# Allegro board nu_2000_main_211102_02.brd (continued)
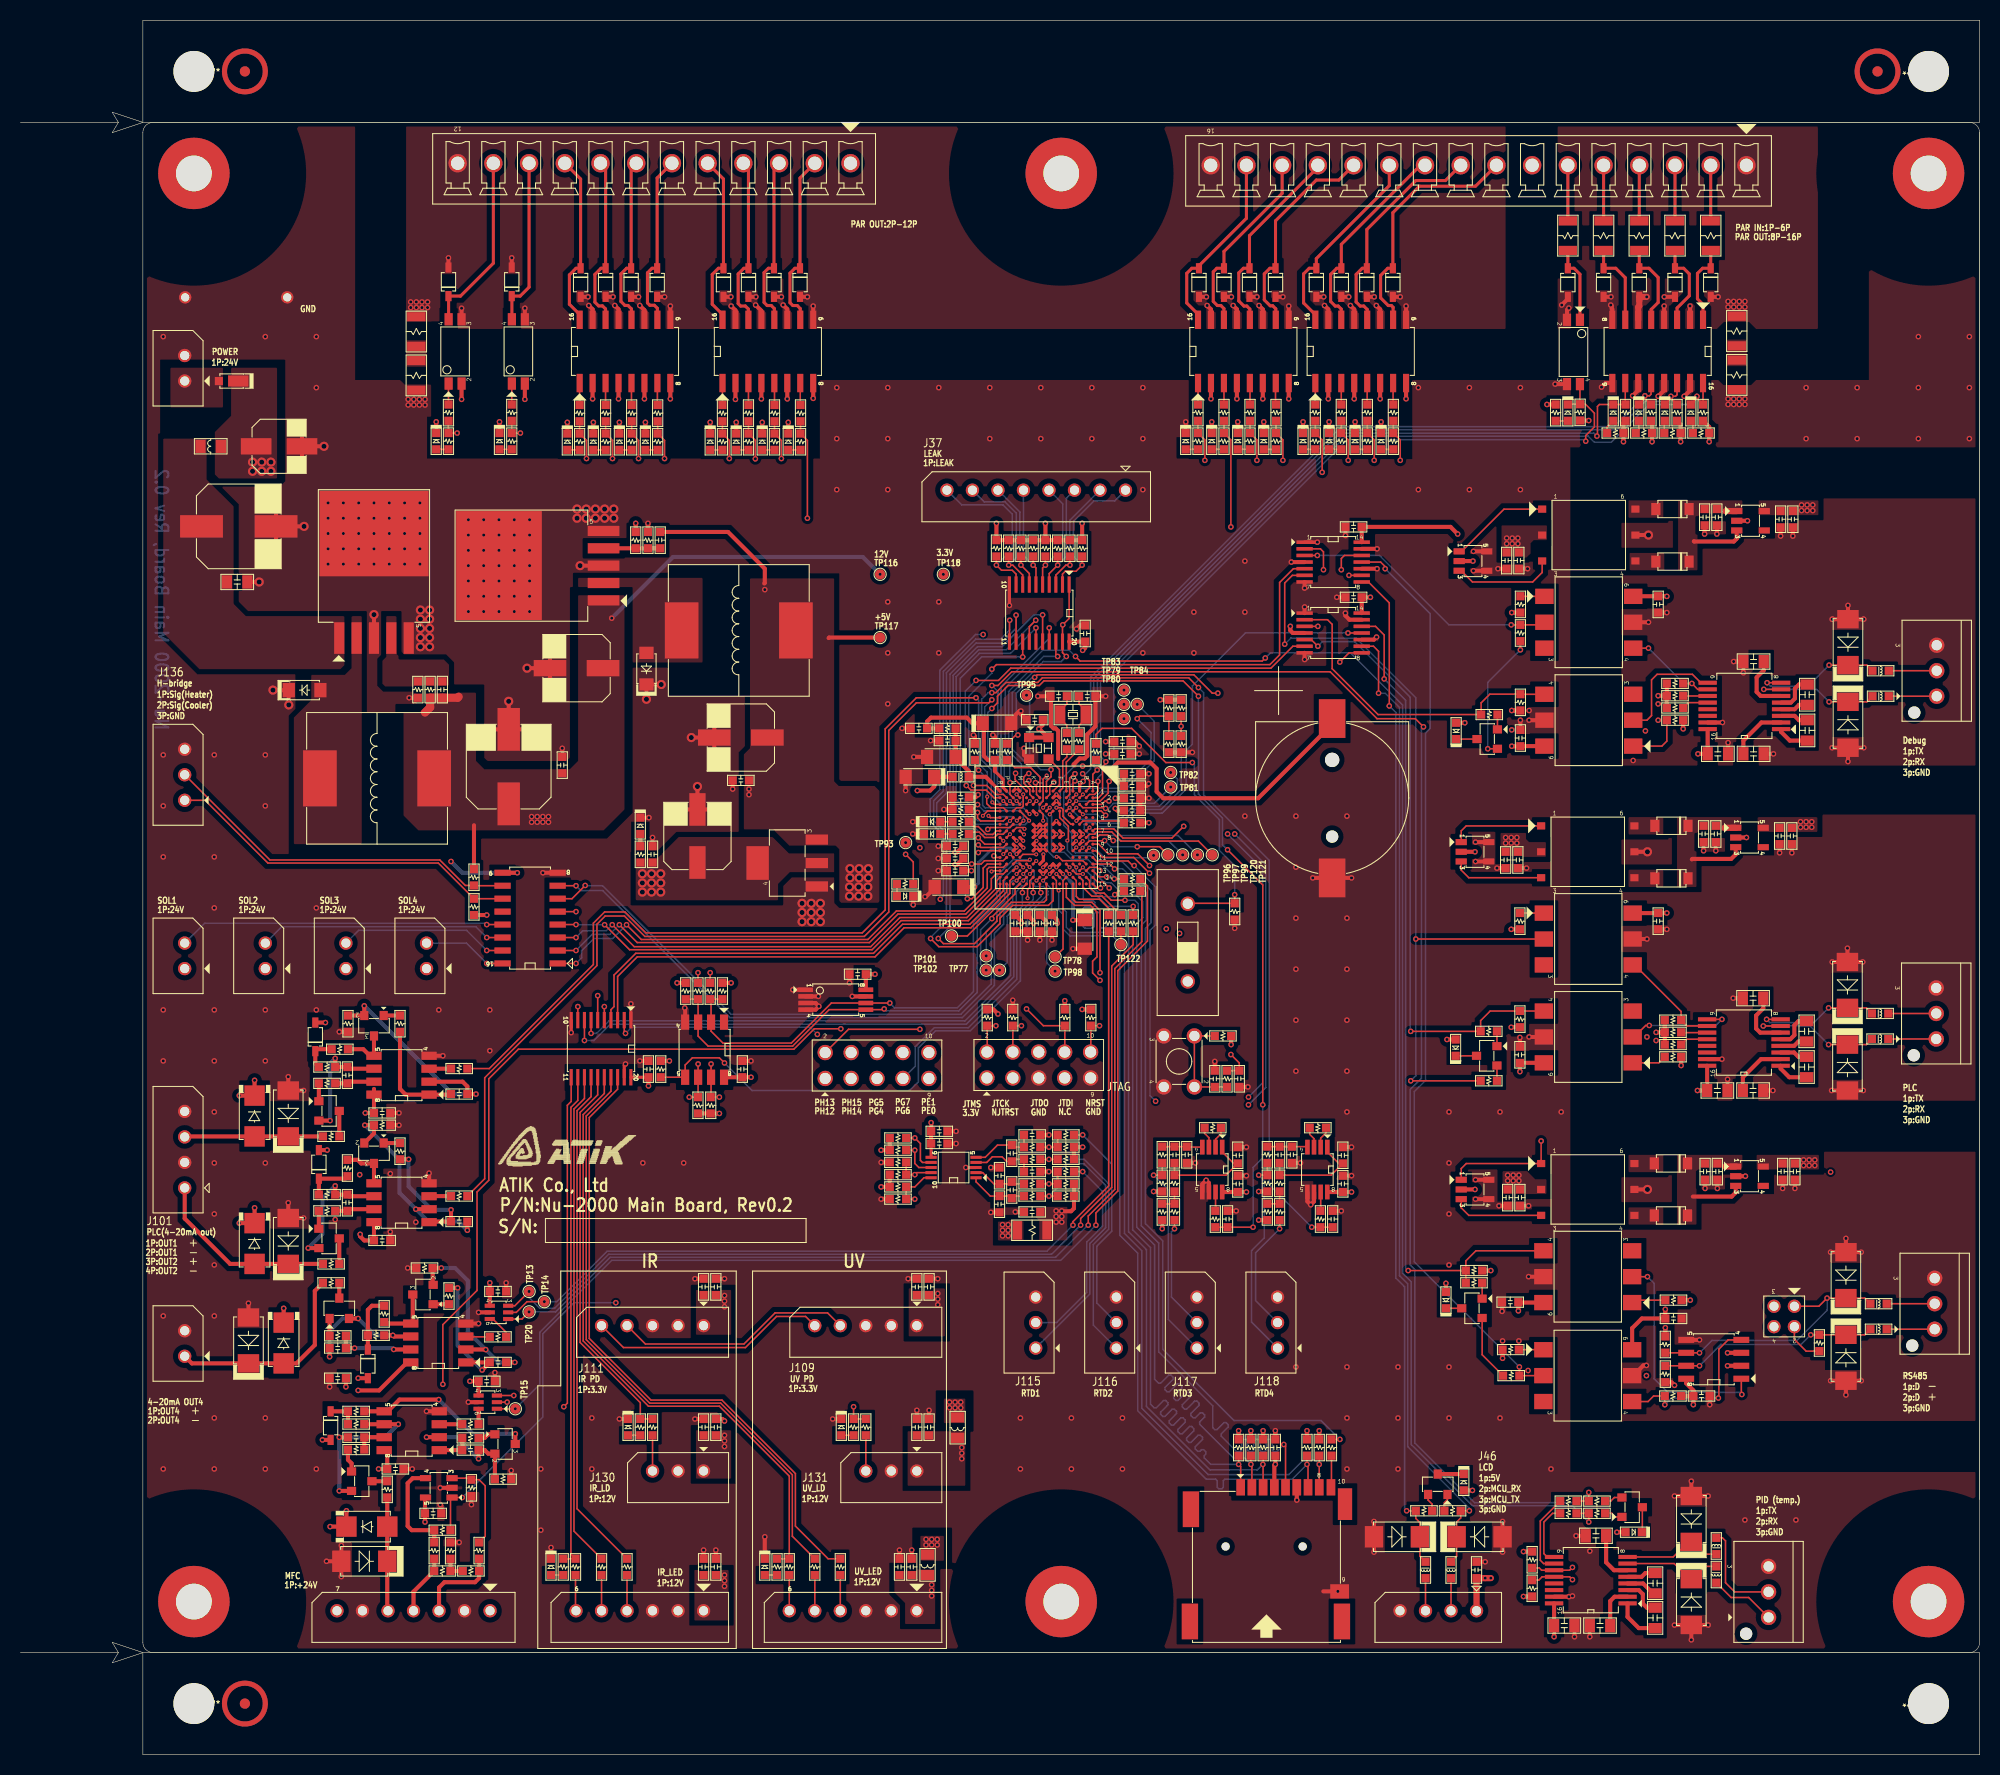
[diagram p0: board, top side]
## Nets (continued)
N6737165: J33.10 R24.1
N6752441: D27.1(ANODE) R10.2
N6752445: D28.1(ANODE) R11.2
N6756994: C6.1 U1.M10(VCAP_1)
N6757022: C5.1 U1.F13(VCAP_2)
N6757140: BT1.1(+) U1.C1(VBAT)
N6884274: R497.2 U1.G4(PH3)
N6887735: C3.2 R1.1 R4.2 SW1.1 SW1.2
N6927609: R3.2 U1.J1(NRST)
N7312910: D92.2 L16.1 R428.1 R430.2 U86.7(B)
N7312944: D93.2 JP1.1 L17.1 R429.1 U86.6(A)
N7329372: TP121.1 U1.B8(PG12)
N8040227: D121.2(K) R407.1 U42.1
N8040231: D122.2(K) R408.1 U42.3
N8040235: D123.2(K) R409.1 U42.5
N8040239: D124.2(K) R410.1 U42.7
N8135647: D77.1(ANODE) D81.2 J119.5 R144.2
N8136179: D78.1(ANODE) D82.2 J120.1 R151.2
N8151003: R162.1 R164.2 U44.9(ADR0)
N8151007: R163.1 R165.2 U44.10(ADR1)
N8152151: J115.1 R158.1 R334.2
N8152275: R160.1 R335.2 R336.1
N8237232: D75.1(ANODE) D79.2 J101.1 R221.2
N8238172: D76.1(ANODE) D80.2 J101.3 R229.2
N8252476: R494.2 TP122.1
N8333431: J116.1 R246.1 R337.2
N8333435: R247.1 R338.2 R339.1
N8340411: TP78.1 U1.E14(PI0)
N8343262: D60.1(ANODE) R255.2
N8354920: R8.1 R374.1 SW2.2(COMMON1)
N8369370: R265.1 U9.6(VOUT)
N8454919: C179.2 C180.2 R334.1 U44.1(CH1+)
N8454923: C180.1 C181.2 R335.1 U44.2(CH1-)
N8455459: J115.2 R336.2
N8456453: C182.2 C184.2 R337.1 U44.4(CH2+)
N8456457: C183.2 C184.1 R338.1 U44.5(CH2-)
N8456560: J116.2 R339.2
N8465176: J117.1 R232.1 R342.2
N8465183: J117.2 R340.2
N8465189: R233.1 R340.1 R341.2
N8465270: C155.2 C156.2 R341.1 U66.1(-IN)
N8465318: C155.1 C157.2 R342.1 U66.4(+IN)
N8466691: R344.2 U66.3(RG2)
N8466814: R344.1 U66.2(RG1)
N8466854: R345.2 U66.7(VOUT)
N8472178: J118.1 R346.1 R352.2
N8472182: R347.1 R348.2 R349.1
N8472294: C158.2 C159.2 R348.1 U67.1(-IN)
N8472330: J118.2 R349.2
N8472342: R350.2 U67.3(RG2)
N8472350: R350.1 U67.2(RG1)
N8472370: R351.2 U67.7(VOUT)
N8472434: C158.1 C160.2 R352.1 U67.4(+IN)
N8479815: TP83.1 U1.D4(PI4)
N8479819: TP82.1 U1.C4(PI5)
N8479823: TP81.1 U1.C3(PI6)
N8479827: TP80.1 U1.C2(PI7)
N8479831: TP79.1 U1.D2(PI8)
N8479835: TP84.1 U1.D3(PI9)
N8479839: R426.2 R427.1 U1.E3(PI10)
N8479843: R424.2 R425.1 U1.E4(PI11)
N8480699: TP120.1 U1.B7(PG15)
N8480709: TP93.1 U1.N7(PG0)
N8480727: TP95.1 U1.H1(PH1/OSC_OUT)
N8480761: TP96.1 U1.B10(PG10)
N8480765: TP97.1 U1.B9(PG11)
N8480791: TP98.1 U1.H14(PG8)
N8480809: TP99.1 U1.A8(PG13)
N8547740: TP100.1 U1.N14(PD11)
N8547744: TP101.1 U1.N13(PD12)
N8547748: TP102.1 U1.M15(PD13)
N8577903: D125.2(K) R411.1 U73.1
N8579418: R176.2 U45.1
N8579458: R178.2 U45.3
N8579498: R180.2 U45.5
N8580456: R188.2 U45.7
N8581115: R189.2 U46.1
N8581155: R191.2 U46.3
N8581195: R193.2 U46.5
N8581905: R198.2 U46.7
N8582414: R199.2 U47.1
N8582454: R200.2 U47.3
N8582494: R201.2 U47.5
N8583064: R206.2 U47.7
N8583488: R207.2 U48.1
N8583528: R208.2 U48.3
N8583568: R209.2 U48.5
N8584162: R214.2 U48.7
N8611875: D73.2(CATHODE) U71.3(A)
N8632420: TP77.1 U1.L13(PH10)
N8641754: J119.3 R381.1 R385.2
N8641766: R381.2 R384.1 U78.3(+VIN)
N8641838: R385.1 R387.2 R388.1
N8641920: R383.1 R386.2 U78.4(-VIN)
N8641996: J119.4 R386.1 R387.1
N8815037: R215.2 U122.1
N8815077: R216.2 U123.1
N9385993: R45.2 U19.11(T1IN)
N9386165: R47.2 U19.12(R1OUT)
N9408028: C36.1 R28.2 R30.1 U127.4(FEEDBACK)
N9408044: D33.1(C) L2.1 U127.2(OUTPUT)
N9408096: C39.1 C40.2 L3.2 U127.1(VIN)
N9488779: R266.1 U12.6(VOUT)
N9549445: R472.2 U86.4(DI) U120.4(VO)
N9669835: C65.2 U19.6(V-)
N9756024: C212.2 U106.1(C1+)
N9756056: C215.2 U106.2(V+)
N9756064: C212.1 U106.3(C1-)
N9756072: C214.2 U106.6(V-)
N9756092: C216.2 U106.4(C2+)
N9756156: C216.1 U106.5(C2-)
N9768725: R467.2 U109.12(R1OUT)
N9768767: C223.2 U109.1(C1+)
N9768855: C226.2 U109.2(V+)
N9768863: C223.1 U109.3(C1-)
N9768871: C225.2 U109.6(V-)
N9768911: C227.2 U109.4(C2+)
N9769123: C227.1 U109.5(C2-)
N9793724: JP1.2 R428.2
N9818111: U86.1(RO) U121.2(C)
N9841684: T1.1 U110.1(D1)
N9841695: T1.3 U110.3(D2)
N9852088: D148.1 T1.6
N9852160: D149.1 T1.4
N9852169: C234.2 C237.2 D148.2 D149.2 U111.1(IN) U111.3(EN)
N9879683: R461.2 U112.1(A)
N9880568: R462.2 U106.10(T2IN) U112.4(VO)
N9882174: R464.1 U113.1(A)
N9893641: U106.9(R2OUT) U113.2(C)
N9894584: R438.2 U106.12(R1OUT)
N9896543: R439.2 U106.11(T1IN)
N9902601: T2.1 U115.1(D1)
N9902605: D150.1 T2.6
N9902609: C240.2 C241.2 D150.2 D151.2 U114.1(IN) U114.3(EN)
N9902807: T2.3 U115.3(D2)
N9902885: D151.1 T2.4
N9903109: R465.2 U116.1(A)
N9903129: R466.2 U109.10(T2IN) U116.4(VO)
N9903137: R468.2 U109.11(T1IN)
N9903169: U109.9(R2OUT) U117.2(C)
N9903277: R470.1 U117.1(A)
N9906366: T3.1 U119.1(D1)
N9906370: D152.1 T3.6
N9906374: C248.2 C249.2 D152.2 D153.2 U118.1(IN) U118.3(EN)
N9906572: T3.3 U119.3(D2)
N9906644: D153.1 T3.4
N9906852: R471.2 U120.1(A)
N9907016: R475.1 U121.1(A)
N9975453: C172.2 C173.2 C256.2 C257.2 J107.1 J130.1 L20.2
N9975637: R269.1 U125.18(Y1)
N9975645: J107.4 R269.2
N9975665: R270.1 U125.17(Y2)
N9975673: J107.5 R270.2
N9975693: R271.1 R446.1 U125.16(Y3)
N9975709: J107.6 R271.2
N9976071: R272.1 R476.1 U125.15(Y4)
N9976079: J130.3 R272.2
N9976095: R478.1 U125.14(Y5)
N9976131: R479.1 U125.13(Y6)
N9976151: R448.1 R480.1 U125.12(Y7)
N9976163: R477.1 R481.1 U125.11(Y8)
N9976251: C174.2 C175.2 C258.2 C259.2 J108.1 J131.1 L21.2
N9976403: J108.4 R478.2
N9976427: J108.5 R479.2
N9976459: J108.6 R480.2
N9976633: J131.3 R481.2
N9977035: J109.4 J111.4 R482.2 R491.1 U126.7(SCL1)
N9977039: J109.5 J111.5 R483.2 R492.1 U126.6(SDA1)
N9980676: R485.1 R486.2
N9980825: R487.1 R488.2
N9987903: D31.1(A) J36.1
N9997691: C262.1 R489.2 R490.1 U128.4(FEEDBACK)
N9997719: D156.1(C) L22.1 U128.2(OUTPUT)
N10023088: R493.1 U1.D14(PI1)
N10023118: R494.1 U1.C14(PI2)
N10023150: R495.1 U1.C13(PI3)
N10025688: R496.2 U1.F4(PH2)
N10037157: D157.1(ANODE) R498.2
N10037183: D158.1(ANODE) R499.2
N10037205: D159.1(ANODE) R500.2
N10037227: D160.1(ANODE) R501.2
N10037249: D161.1(ANODE) R502.2
N10038837: D162.1(ANODE) R503.1
N10039748: D163.1(ANODE) R504.1
N10039906: D164.1(ANODE) R505.1
N10040229: D165.1(ANODE) R506.1
N10040391: D166.1(ANODE) R507.1
N10040555: D167.1(ANODE) R508.1
N10040723: D168.1(ANODE) R509.1
N10040891: D169.1(ANODE) R510.1
N10041061: D170.1(ANODE) R511.1
N10041233: D171.1(ANODE) R512.1
N10041407: D172.1(ANODE) R513.1
N10041583: D173.1(ANODE) R514.1
N10041761: D174.1(ANODE) R515.1
N10041941: D175.1(ANODE) R516.1
N10042123: D176.1(ANODE) R517.1
N10042307: D177.1(ANODE) R518.1
N10042495: D178.1(ANODE) R519.1
N10042683: D179.1(ANODE) R520.1
N10424983: J133.2 U14.14(OUT3)
N10424999: J134.2 U14.15(OUT2)
N10454014: J132.2 U14.13(OUT4)
N10454035: J135.2 U14.16(OUT1)
N10472130: J136.2 R522.2 U14.10(OUT7)
N10472136: J136.1 R521.2 U14.11(OUT6)
N10500518: C266.1 R523.1 U129.1(OA)
N10500522: Q101.1(G) R523.2
N10500598: Q101.3(D) R525.1 U129.5(+)
N10500602: C266.2 Q101.2(S) R524.2 U129.2(-)
N10501389: C268.2 Q100.2(S) R526.2 U129.6(-)
N10501401: D180.2(K) R525.2 R526.1
N10501492: C268.1 R527.1 U129.7(OB)
N10501545: Q100.1(G) R527.2
N10508863: R223.2 U129.3(+)
N10508867: Q100.3(D) R221.1
N10509256: D181.2(K) R528.1 R529.2
N10509268: C270.2 Q102.2(S) R528.2 U130.6(-)
N10509436: C270.1 R530.1 U130.7(OB)
N10509460: Q103.3(D) R529.1 U130.5(+)
N10509472: Q102.1(G) R530.2
N10509484: C271.2 Q103.2(S) R532.2 U130.2(-)
N10509504: Q102.3(D) R229.1
N10509624: C271.1 R531.1 U130.1(OA)
N10509652: Q103.1(G) R531.2
N10509656: R231.2 U130.3(+)
N10510436: D182.2(K) R533.1 R534.2
N10510448: C273.2 Q104.2(S) R533.2 U131.6(-)
N10510616: C273.1 R535.1 U131.7(OB)
N10510640: Q105.3(D) R534.1 U131.5(+)
N10510652: Q104.1(G) R535.2
N10510664: C274.2 Q105.2(S) R537.2 U131.2(-)
N10510684: Q104.3(D) R144.1
N10510804: C274.1 R536.1 U131.1(OA)
N10510836: Q105.1(G) R536.2
N10510840: R265.2 U131.3(+)
N10512026: D183.2(K) R538.1 R539.2
N10512038: C276.2 Q106.2(S) R538.2 U132.6(-)
N10512206: C276.1 R540.1 U132.7(OB)
N10512230: Q107.3(D) R539.1 U132.5(+)
N10512242: Q106.1(G) R540.2
N10512254: C277.2 Q107.2(S) R542.2 U132.2(-)
N10512274: Q106.3(D) R151.1
N10512394: C277.1 R541.1 U132.1(OA)
N10512426: Q107.1(G) R541.2
N10512430: R266.2 U132.3(+)
N10684882: D145.1(ANODE) R446.2
N73128801: J48.1 L16.2
N73128981: J48.2 L17.2
N85887810: D70.2(CATHODE) U68.3(A)
N85887811: R355.1 U68.2(C1)
N85887812: R356.1 U68.1(C2)
N85944071: D71.2(CATHODE) U69.3(A)
N85944271: R359.1 U69.2(C1)
N85944272: R360.1 U69.1(C2)
N86077921: D72.2(CATHODE) U70.3(A)
N86078161: R363.1 U70.2(C1)
N86078162: R364.1 U70.1(C2)
N86118911: R367.1 U71.2(C1)
N86118912: R368.1 U71.1(C2)
N86591951: D74.2(CATHODE) U72.3(A)
N86592191: R371.1 U72.2(C1)
N86592192: R372.1 U72.1(C2)
N99761110: D154.1(ANODE) R476.2
N99764710: D147.1(ANODE) R448.2
N99766450: D155.1(ANODE) R477.2
N99986800: D61.1(ANODE) R256.2

Pads without a net: J34 7; J52 7; J53 1; JP1 3 4; NOREF#283 1; NOREF#491 1; NOREF#628 1; NOREF#674 1; NOREF#675 1; NOREF#676 1; U1 A5 A6 B4 B5 B6 B11 B15 C11 C12 C15 D10 D11 F15 L2 M11 N15 P6 R6; U14 5 12; U19 13 14; U106 13 14; U109 13 14; U111 4; U112 3; U113 3; U114 4; U116 3; U117 3; U118 4; U120 3; U121 3; U126 1; UNK? 1; UNK?#2 1; UNK?#3 1; UNK?#4 1; UNK?#5 1; UNK?#6 1

## Via types
v1: diameter 0.55, hole 0.3, TOP to BOTTOM, 1051 vias
v2: diameter 0.4, hole 0.2, TOP to BOTTOM, 97 vias
v3: diameter 0.9, hole 0.5, TOP to BOTTOM, 84 vias

## Routing (per net, layer and track width the routed paths; a pad name or vN(x,y) marks a point on that pad's centre or on a via; arc(x,y) is an arc through that point)
3.3V: length 105
  TOP w0.25: U1.F3 v2(101.53,93.47)
  TOP w0.3: v2(100.25,88.25) 100.25,87.65 U1.J12 ; U1.N8 v2(97.62,89.58) ; U125.20 C260.2 ; U1.H13 v2(100.22,86.33) U1.J13 ; U1.C8 v2(104.12,90.22) U1.C7 ; U1.G13 v2(100.88,86.33) ; U1.K4 v2(99.58,92.17) ; U1.N10 v2(97.62,88.92) U1.N9 ; C102.2 U44.6 ; U1.C9 v2(104.1,89.55) ; U1.C5 v2(103.49,91.54) ; U1.G3 v2(101.53,93.47)
  TOP w0.4: U126.8 C261.2 v1(71.6,66.4) ; R37.2 R38.2 R39.2 R40.2 v1(104.05,120.7) ; R37.2 R36.2 R35.2 R34.2 R33.2 v1(95.65,120.7) ; R37.2 v1(100.45,120.7) ; R88.2 157.1,130.55 R501.1 v1(157.1,128.7) ; v1(100.5,81.5) 100.5,81.7 C20.2 ; v1(104.1,108.25) 104.35,108.5 C44.2 102.78,109.1 ; C16.2 v1(106.35,99.3) ; R17.2 v1(127.28,31.75) ; U19.16 C63.1 v1(150.3,11.55) ; R483.1 R482.1 v1(68.5,62.85) ; R5.1 v1(110.6,91.35) ; L1.1 C8.1 89.55,94.9 89.15,94.5 v1(87.9,94.5) ; D71.1 v1(156.45,21.8) ; U88.14 C199.2 v1(132.3,113.45) ; C15.2 v1(106.35,98.1) ; v1(101.6,81.5) 101.6,81.8 C21.2 ; R16.2 v1(126.08,31.75) ; C102.2 C103.2 v1(89.25,61.95) ; v1(165.5,128.7) R498.1 165.5,130.15 R85.2 ; C17.2 v1(93.2,86.65) ; 128.07,55.15 C144.2 v1(130.45,55.15) ; v1(111.7,103.4) R426.1 R424.1 ; C18.2 91.8,87.25 v1(91.6,87.25) ; R14.2 v1(120.58,31.75) ; C13.2 107.5,92.55 v1(107.3,92.75) ; v1(83.75,76.5) C28.2 U3.8 ; J33.4 122.89,28.35 v1(122.98,28.45) C27.2 ; R19.2 v1(69.65,75.65) ; R45.1 v1(147.3,19.9) ; v1(98.1,81.5) 98.1,81.7 C23.2 ; R484.1 v1(63.6,68) ; v1(93.85,94.1) 93.6,93.85 C10.2 ; R171.2 v1(153.7,130.78) ; R21.2 95.35,73.05 v1(95.8,72.6) ; Y2.4 100.7,99.7 ; 100.7,99.7 Y2.1 ; 100.7,99.7 99.85,100.55 v1(99.8,100.55) 100.2,100.95 C117.2 ; v1(99.3,81.5) 99.3,81.7 C22.2 ; C19.2 91.8,88.45 v1(91.6,88.45) ; v1(159.9,128.7) R500.1 159.9,130.65 R87.2 ; R13.2 v1(119.39,31.75) ; v1(84.35,59.25) R157.2 R156.2 ; R86.2 162.7,130.4 R499.1 v1(162.7,128.7) ; R15.2 v1(121.78,31.75) ; R162.2 R163.2 v1(84.35,55.65) ; v1(107.4,95.55) 107.55,95.55 C9.2 C14.2 ; R47.1 v1(147.3,15.5) ; R1.2 v1(118.65,69.6) ; R23.2 v1(104.05,73.05) ; v1(120.15,55.15) C142.2 117.78,55.15 ; R22.2 v1(102.35,73.9) ; R20.2 v1(64.35,75.65) ; C260.2 v1(61.55,65.55) ; R502.1 v1(149.6,132.35) ; C12.2 v1(107.3,93.75)
  L2-PWR w0.4: 97.65,90 97.62,89.97 v2(97.62,89.58) v2(97.62,88.92) ; 104.4,89.55 v2(104.1,89.55) 104.1,90.2 v2(104.12,90.22) 104.12,90.47 104.1,90.5
  vias: v1(69,45) v1(69,44.45) v1(69,43.9) v1(89.9,45.2) v1(89.9,44.65) v1(89.9,44.1) v1(90.45,115.7) v1(96.25,51.95) v1(96.25,51.4) v1(96.25,50.85) v1(96.8,51.95) v1(96.8,51.4) v1(96.8,50.85) v3(60.95,86.35) v3(60.95,85.45) v3(60.95,84.55) v3(61.85,86.35) v3(61.85,85.45) v3(61.85,84.55) v3(62.75,86.35) v3(62.75,85.45) v3(62.75,84.55)
5V: length 202.1
  TOP w0.4: v1(146.95,66.95) C244.2 146.96,67.81 U117.6 ; U87.14 C192.2 140.15,120.35 v1(140.85,119.65) ; R465.1 v1(146.1,80.9) ; R469.1 v1(146.1,71.3) ; D73.1 v1(139.8,70.1) ; v1(146.15,98.85) C239.2 147.01,98.86 U113.6 ; R463.1 v1(146.15,102.35) ; U9.4 C45.2 v1(44.05,36.6) ; R474.1 v1(144.1,47.45) ; R489.1 v1(60.3,120.7) ; U78.5 39.65,25.15 C178.2 v1(39.65,22.8) ; v1(46,46.25) C48.2 U12.4 ; D74.1 v1(139.7,46.2) ; U110.2 v1(142.35,117) ; v1(146.8,43.5) C255.2 146.84,44.31 U121.6 ; 72.9,114.8 72.95,114.85 72.95,116.25 69.35,119.85 C262.2 ; v1(142.55,55.4) U119.2 ; D70.1 v1(142.3,25.9) ; R461.1 v1(146.15,111.95) ; 79.2,109.45 79.25,109.5 TP117.1 ; R471.1 v1(145.25,38.85) ; U115.2 v1(142.55,88.5) ; D72.1 v1(141.55,101.15)
  TOP w0.6: v1(144.1,17.3) v1(143.55,17.3) C194.1 J46.1
  L3-INT1 w0.4: v1(72.95,114.2) 67.25,119.9 61.1,119.9 v1(60.3,120.7) ; v1(145.25,38.85) 143.95,40.15 143.95,41.2 ; v1(142.3,25.9) 138.35,25.9
  L3-INT1 w0.6: v1(39.65,22.8) 39.65,25.9 42.9,29.15 42.9,35.45 v1(44.05,36.6) 44.05,44.3 v1(46,46.25) 46,66.5 54.9,75.4 58,75.4 71.4,88.8 v1(71.4,94.1) v1(71.4,94.65)
  L3-INT1 w1: 138.35,42.65 138.35,20.95 142,17.3 v1(143.55,17.3) v1(144.1,17.3)
  vias: v1(145.55,89.9) v1(145.55,89.35) v1(145.65,119.25) v1(145.65,118.7) v1(145.75,56.8) v1(145.75,56.25) v1(146.1,89.9) v1(146.1,89.35) v1(146.2,119.25) v1(146.2,118.7) v1(146.15,100.45) v1(146.3,56.8) v1(146.3,56.25) v1(146.65,89.9) v1(146.65,89.35) v1(146.75,119.25) v1(146.75,118.7) v1(146.85,56.8) v1(146.85,56.25) v3(81.25,85.05) v3(81.25,84.15) v3(81.3,86.85) v3(81.3,85.95) v3(82.2,86.85) v3(82.2,85.95) v3(82.15,85.05) v3(82.15,84.15) v3(83.05,85.05) v3(83.05,84.15) v3(83.1,86.85) v3(83.1,85.95)
12V: length 39.5
  TOP w0.4: R521.1 v1(45.7,82.3) ; R522.1 44.45,91.1
  TOP w0.8: 42.95,103.7 42.85,103.6 C36.2 R28.1 40.15,102.65 39.65,102.15
  BOTTOM w0.4: v1(57.95,111.4) 63.95,117.4 82.55,117.4 v1(84.25,115.7)
  vias: v1(50.1,91.95) v1(50.1,91.4) v1(50.65,91.95) v1(50.65,91.4) v1(51.2,91.95) v1(51.2,91.4) v1(51.75,91.95) v1(51.75,91.4) v1(88.75,21.1) v1(88.75,20.55) v1(89.3,21.1) v1(89.3,20.55) v1(89.85,21.1) v1(89.85,20.55) v1(91.05,34.55) v1(91.05,34) v1(91.6,34.55) v1(91.6,34) v1(92.15,34.55) v1(92.15,34)
24V: length 39.2
  TOP w0.4: D181.1 v1(29.89,71.76) ; U131.8 35.95,29.55 C272.1 v1(35.1,28) ; U129.8 C267.1 33.7,50.4 33.3,50.8 v1(33.3,51) ; v1(21.45,64.6) D76.2 v1(22.95,66.1) ; D180.1 v1(30.06,59.26) ; D183.1 v1(33.1,36.9) ; C275.1 v1(31.9,36.05) ; v1(33.8,62.9) C269.1 U130.8 34.65,65.25 ; D78.2 v1(25.8,43.75) ; v1(22.95,53.6) D75.2 v1(21.45,52.1) ; D182.1 v1(29.6,30.85) ; U14.9 v1(48.7,86.44) ; v1(33.1,35.7) 35.15,35.7 37.89,38.45 U132.8 ; v1(31.95,23.9) D77.2 v1(30.35,22.35)
  BOTTOM w0.4: v1(42.2,87.55) 43.3,86.44 v1(48.7,86.44)
  vias: v1(33.25,56.85) v3(22.75,126.7) v3(22.75,125.8) v3(23.65,126.7) v3(23.65,125.8) v3(24.55,126.7) v3(24.55,125.8)
GND: length 326.4
  TOP w0.3: U1.D7 v2(103.47,90.22) U1.D8 ; v2(99.58,89.58) U1.K9 v2(99.58,88.92) ; U1.F12 v2(101.53,86.97) U1.G12 v2(100.88,86.97) ; v2(99.58,90.88) U1.K7 v2(99.58,90.22) ; v2(99.58,90.88) U1.K6 ; v2(99.58,90.88) U1.J6 v2(100.22,90.88) ; U44.3 v1(92.65,57.55) ; U1.G6 v2(101.53,91.53) U1.F6 ; U125.10 v1(53.98,70.78) ; U1.G10 v2(101.53,88.92) U1.G9 ; U1.D9 v2(103.45,89.55) ; U1.F9 v2(102.17,88.92) U1.F10 ; v2(99.58,88.92) U1.J10 v2(100.22,88.92) ; v2(99.58,88.92) U1.K10 ; v1(96.92,112.65) U7.10 ; v2(100.22,90.88) U1.H6 ; v2(100.22,90.88) U1.H7 v2(100.22,90.22) ; v2(100.22,90.88) U1.J7 v2(99.58,90.22) ; U1.J9 v2(100.22,88.92) ; v2(100.22,88.92) U1.H9 ; v2(100.22,88.92) U1.H10 ; U1.H12 v2(100.22,86.97) ; U125.1 v1(59.83,73.6) ; U1.G2 v2(101.53,94.12) U1.F2 ; v2(100.22,90.22) U1.H8 ; v2(100.22,90.22) U1.J8 ; U1.G7 v2(101.53,90.22) U1.G8 ; U1.M8 v2(98.28,89.58) ; v2(99.58,90.22) U1.K8 ; U1.F7 v2(102.17,90.22) U1.F8 ; U1.M9 v2(98.3,88.9) ; v1(59.3,67.7) 59.17,67.58 U125.19 ; U1.D5 v2(102.84,92.16) ; U1.M1 v2(97.62,94.78) U1.N1
  TOP w0.35: U87.1 v1(127.1,118.85)
  TOP w0.4: U47.2 v1(70.08,132.85) ; D81.1 v1(30,18.95) ; D81.1 v1(31.45,17.45) ; D81.1 v1(31.45,20.5) ; C39.2 v3(27.8,120.4) ; C39.2 v3(25.05,122.1) ; C39.2 v3(25.05,118.7) ; v1(65.1,73.2) 65.15,73.16 U126.4 ; R7.2 93.55,99.8 v1(93.4,99.95) ; 49.44,134.4 v1(49.44,132.86) ; U129.4 v1(40.05,57) ; C40.1 v3(23.4,114.95) ; C264.2 v3(68,101.1) ; C264.2 v3(65.75,99.7) ; C264.2 v3(68,98.3) ; D147.2 v1(52,20.3) ; C199.1 v1(129,113.45) ; C37.1 v1(61.95,89.9) ; R384.2 v1(44.2,24.5) ; C150.1 v1(87,46.65) ; C267.2 v1(36.25,51.25) ; U117.5 v1(147.85,70.35) ; U127.3 v3(34.65,111.75) ; U48.6 v1(61.16,132.91) ; D60.2 v1(87.5,83.3) ; D167.2 v1(119.3,130.65) ; v1(27.75,65.1) D80.1 v1(26.25,66.45) ; U88.1 v1(125.85,112.5) ; C245.1 v1(147.6,86.9) ; U48.8 v1(63.7,132.91) ; D165.2 v1(125.7,130.65) ; C23.1 C22.1 v1(98.7,79.85) ; C38.2 v3(27.6,126.75) ; C38.2 v3(27.6,129.75) ; C38.2 v3(29.75,128.25) ; C13.1 C12.1 v1(110.6,93.75) ; C21.1 v1(101.1,79.85) ; C65.1 v1(152.45,21.45) ; D82.1 v1(22.35,44.25) ; C144.1 v1(130.45,56.75) ; U67.5 126.12,54.23 v1(126.45,53.9) 126.78,54.23 126.78,55.15 ; C41.2 v3(67.8,92.65) ; C41.2 v3(64.9,92.65) ; C41.2 v3(66.35,94.9) ; C157.1 v1(115.15,58) ; C19.1 v1(89.95,89.05) ; D178.2 v1(46.95,130.65) ; 130.72,134.45 v1(130.72,132.91) ; C182.1 v1(100.8,57.15) ; C172.1 v1(86.15,20.05) ; C183.1 v1(100.8,60.75) ; v1(41.15,24.5) 41.25,24.4 C178.1 ; R542.1 v1(37.95,47.7) ; C252.1 v1(144.9,53.8) ; R25.1 v1(97.25,73.95) ; U46.6 v1(121.75,132.91) ; U88.10 132.65,109.3 v1(132.9,109.55) ; D90.1 v1(165.4,25.35) ; D90.1 v1(163.75,26.8) ; D90.1 v1(162.1,25.35) ; C192.1 v1(129.85,119.5) ; v3(26.3,102.9) D33.2 v3(24.75,104.35) ; D166.2 v1(121.85,130.65) ; D145.2 v1(72.95,21.35) ; v1(88.65,84.1) 88.75,84.1 89.6,84.95 C6.2 ; D179.2 v1(40.75,130.65) ; C156.1 v1(120.15,59.55) ; v1(158,133.2) 158.54,133.75 U42.11 ; 127.69,16 v1(129.11,16) ; C28.1 v1(81.25,75.65) ; 135.8,134.45 v1(135.8,132.91) ; v1(98.35,98.65) 98.35,98 98.75,97.6 Y2.2 ; C142.1 v1(120.15,56.75) ; R165.1 v1(84.35,54.45) ; U9.5 v1(43.9,34.55) ; C143.1 v1(119.15,53.3) ; C265.1 v1(69.8,94.65) ; C263.2 v3(49.65,106.5) ; C263.2 v3(51.9,105.1) ; C263.2 v3(51.9,107.9) ; v1(132.65,19.85) D88.1 v1(132.65,22.85) ; 119.22,134.45 v1(119.22,132.91) ; U88.13 130.25,111.25 129.85,111.65 v1(129.85,111.9) ; 103.2,97.05 103.8,97.65 104.3,97.65 104.55,97.9 104.55,100 105.35,100.8 C1.2 v1(106.35,103.75) ; C261.1 v1(71.6,68) ; D173.2 v1(67.6,130.6) ; D155.2 v1(79.6,32.9) ; v1(145.25,19.85) D87.1 v1(145.25,22.85) ; U128.3 v3(54.85,116.55) ; U45.6 v1(133.25,132.91) ; C233.1 v1(147.7,116.25) ; C260.1 v1(60.7,68) ; C154.2 v1(97.5,53.2) ; U66.5 115.83,55.92 v1(116.2,56.3) 116.47,56.02 U66.6 ; D172.2 v1(70.15,130.6) ; C259.1 v1(87.85,33.75) ; C181.1 v1(95.1,57.55) ; C24.1 v1(89.2,99.4) ; C17.1 v1(89.95,86.65) ; U130.4 v1(41.4,68.5) ; C275.2 v1(30.3,36.05) ; U3.4 77.92,73.03 v1(78.25,73.35) 77.92,73.67 U3.3 ; C173.1 v1(87.35,20.05) ; C9.1 110.35,94.95 v1(110.58,95.17) ; v1(90.5,92.65) R9.1 C10.1 ; U110.5 v1(142.4,117.95) ; C117.1 98.05,102 v1(98.05,102.3) 97.9,102.3 97.1,101.5 C25.2 ; C255.1 v1(145.2,43.45) ; C15.1 v1(109.65,98.1) ; U131.4 v1(39.8,33.66) ; U42.13 161.09,133.74 v1(160.5,133.15) ; v1(87.55,97.8) C11.2 ; v1(126.65,85.94) BT1.2 v1(130.45,85.94) ; C253.1 v1(147.8,53.8) ; D163.2 v1(130.8,130.65) ; D176.2 v1(56.15,130.6) ; D89.1 v1(165.4,12.7) ; D89.1 v1(162.1,12.7) ; D89.1 v1(163.75,11.25) ; D162.2 v1(133.35,130.65) ; v3(62.8,104.9) D156.2 v3(61.35,103.45) ; U113.5 v1(147.85,101.4) ; C42.2 v3(49.55,100.5) ; C42.2 v3(46.15,100.5) ; C42.2 v3(47.85,103.25) ; C239.1 v1(147,101.4) ; D61.2 v1(61.6,91.85) ; C103.1 v1(91.7,61.1) ; C5.2 v1(103.15,79) ; C175.1 v1(68.15,20.05) ; C146.1 v1(66.1,46.65) ; C44.1 103.85,110.7 v1(103.5,110.35) ; C20.1 v1(99.9,79.85) ; C8.2 v1(86.75,94.5) ; C63.2 v1(152.3,11.55) ; D175.2 v1(58.7,130.6) ; U48.2 v1(56.08,132.91) ; U47.8 v1(77.69,132.95) ; D169.2 v1(114.2,130.65) ; C151.1 v1(89.9,46.65) ; v1(124.45,110.6) 124.45,110.2 124.7,109.95 U88.4 ; U119.5 v1(142.6,56.35) ; R30.2 v1(38.1,103.6) ; C147.1 v1(69,46.65) ; D177.2 v1(53.6,130.6) ; C256.1 v1(66.1,32.9) ; C179.1 v1(95.1,53.15) ; D168.2 v1(116.75,130.65) ; R164.1 v1(84.35,58.05) ; C145.1 v1(129.45,53.3) ; C160.1 v1(125.45,58) ; C2.1 v1(120.3,65.45) ; U87.7 v1(125.85,114.35) ; D171.2 v1(72.7,130.6) ; U121.5 v1(147.8,46.85) ; R388.2 v1(43,20.8) ; v1(163.05,133.15) 163.62,133.72 U42.15 ; C48.1 v1(47.6,46.25) ; C45.1 v1(46.5,37.45) ; U3.7 v1(81.53,74.33) ; v1(114.85,98.25) R425.2 R427.2 ; U14.8 v1(51.2,86.44) ; C194.2 v1(143.55,18.9) ; C7.1 95.5,99.75 v1(95.3,99.95) ; C27.1 v1(122.98,31.75) ; U87.10 v1(132.95,116.25) ; D170.2 v1(75.25,130.6) ; U47.4 v1(72.62,132.9) ; U87.13 v1(132.95,118.2) ; R374.2 v1(119,81) ; C247.1 v1(144.7,86.9) ; U122.2 v1(43.23,132.86) ; D174.2 v1(61.25,130.6) ; C18.1 v1(89.95,87.85) ; C102.1 v1(91.7,59.9) ; U119.4 v1(142.6,54.45) ; J33.6 v1(125.08,24.95) ; C159.1 v1(130.45,59.55) ; U42.9 155.35,134.45 v1(154.95,134.05) ; v1(109.65,98.85) 109.2,99.3 C16.1 ; 101.7,97.6 101.7,100.35 101.45,100.6 101.25,100.6 101,100.85 101,103.7 C4.2 v1(99.7,103.75) ; R532.1 v1(31.25,70.85) ; D28.2 v1(87.45,90.25) ; v1(86.4,100.6) C26.1 ; U45.2 v1(128.18,132.91) ; D164.2 v1(128.25,130.65) ; R524.1 v1(37.1,61.7) ; C257.1 68.8,32.9 v1(69,32.7) ; U87.4 v1(124.55,116.9) ; D27.2 v1(87.45,91.45) ; U115.4 v1(142.6,87.55) ; U46.2 v1(116.67,132.91) ; U12.5 v1(44.9,43.35) ; C33.1 v1(53.1,98.65) ; U132.4 v1(44.9,42.26) ; C244.1 v1(146.95,70.3) ; U47.6 v1(75.16,132.9) ; R490.2 v1(61.5,120.7) ; v1(27.75,52.6) D79.1 v1(26.25,54.1) ; U110.4 v1(142.4,116.05) ; U19.15 v1(151.75,15.47) ; C269.2 v1(37.1,62.9) ; C272.2 v1(38.4,28) ; C232.1 v1(144.8,116.25) ; C258.1 v1(89.05,33.75) ; C3.1 v1(117.05,67.95) ; U3.1 v1(75.7,74.97) ; v1(150.4,134.35) U73.3 ; R537.1 v1(48.1,27.85) ; C174.1 v1(66.95,20.05) ; U115.5 v1(142.6,89.45) ; C66.1 v1(153.8,11.55) ; U88.7 v1(125.85,107.35) ; 124.3,134.45 v1(124.3,132.91) ; C14.1 v1(110.6,96.15) ; U48.4 v1(58.62,132.91) ; D154.2 v1(58.7,32.9) ; U78.2 v1(41.15,26.15) ; U3.2 v1(78.2,74.33)
  L3-INT1 w0.4: 129.05,59.7 129.1,59.65
  vias: v1(14,139) v1(14,98) v1(14,93) v1(14,88) v1(14,73) v1(14,68) v1(14,43) v1(14,28) v1(19,98) v1(19,88) v1(19,83) v1(19,73) v1(19,68) v1(19,63) v1(19,58) v1(19,53) v1(19,48) v1(19,43) v1(19,33) v1(19,28) v1(24,139) v1(24,98) v1(24,93) v1(24,73) v1(24,68) v1(24,58) v1(24,33) v1(24,28) v1(29,139) v1(29,134) v1(29,83) v1(29,73) v1(29,28) v1(30.15,122.7) v1(30.15,121.2) v1(30.15,119.7) v1(30.15,118.2) v1(30.15,116.7) v1(30.85,52.45) v1(31.65,122.7) v1(31.65,121.2) v1(31.65,119.7) v1(31.65,118.2) v1(31.65,116.7) v1(33.15,122.7) v1(33.15,121.2) v1(33.15,119.7) v1(33.15,118.2) v1(33.15,116.7) v1(34.65,122.7) v1(34.65,121.2) v1(34.65,119.7) v1(34.65,118.2) v1(34.65,116.7) v1(36.15,122.7) v1(36.15,121.2) v1(36.15,119.7) v1(36.15,118.2) v1(36.15,116.7) v1(36.25,56.95) v1(37.65,122.7) v1(37.65,121.2) v1(37.65,119.7) v1(37.65,118.2) v1(37.65,116.7) v1(38,132.85) v1(38,132.3) v1(38.55,132.85) v1(38.55,132.3) v1(38.75,52.2) v1(39.1,132.85) v1(39.1,132.3) v1(39.15,122.7) v1(39.15,121.2) v1(39.15,119.7) v1(39.15,118.2) v1(39.15,116.7) v1(39.65,132.85) v1(39.65,132.3) v1(41,73) v1(43.9,121.05) v1(43.9,119.55) v1(43.9,118.05) v1(43.9,116.55) v1(43.9,115.05) v1(43.9,113.55) v1(43.9,112.05) v1(45.4,121.05) v1(45.4,119.55) v1(45.4,118.05) v1(45.4,116.55) v1(45.4,115.05) v1(45.4,113.55) v1(45.4,112.05) v1(46,73) v1(46,69) v1(46.9,121.05) v1(46.9,119.55) v1(46.9,118.05) v1(46.9,116.55) v1(46.9,115.05) v1(46.9,113.55) v1(46.9,112.05) v1(48.4,121.05) v1(48.4,119.55) v1(48.4,118.05) v1(48.4,116.55) v1(48.4,115.05) v1(48.4,113.55) v1(48.4,112.05) v1(49.9,121.05) v1(49.9,119.55) v1(49.9,118.05) v1(49.9,116.55) v1(49.9,115.05) v1(49.9,113.55) v1(49.9,112.05) v1(51,28) v1(51,22) v1(56,33) v1(56,28) v1(61,58) v1(65,58) v1(80,134) v1(80,129) v1(80,124) v1(85,134) v1(85,129) v1(85,124) v1(85,113) v1(85,108) v1(85,103) v1(90,134) v1(90,113) v1(90,108) v1(95,134) v1(95,129) v1(98,33) v1(98,28) v1(100,134) v1(100,129) v1(103,33) v1(103,28) v1(105,134) v1(105,129) v1(108,33) v1(108,28) v1(110,134) v1(110,129) v1(110,124) v1(110,108) v1(115,112) v1(115,108) v1(120,117) v1(120,112) v1(120,92) v1(125,92) v1(125,87) v1(125,82) v1(125,77) v1(125,72) v1(125,67) v1(125,38) v1(130,92) v1(130,82) v1(130,77) v1(130,72) v1(130,67) v1(130,63) v1(130,38) v1(130,33) v1(130,28) v1(135,38) v1(135,33) v1(135,28) v1(137,134) v1(137,124) v1(140,63) v1(140,58) v1(140,53) v1(140,48) v1(140,38) v1(140,33) v1(142,134) v1(142,124) v1(145,63) v1(145,33) v1(145.25,40.55) v1(146.85,40.55) v1(147,134) v1(147,124) v1(147.85,102.35) v1(147.75,37.65) v1(150,28) v1(151,63) v1(152.1,15.55) v1(153.8,19.95) v1(167.35,132.9) v1(167.35,132.35) v1(167.9,132.9) v1(167.9,132.35) v1(168.45,132.9) v1(168.45,132.35) v1(169,132.9) v1(169,132.35) v1(169,23) v1(174,23) v1(175,134) v1(175,129) v1(180,134) v1(180,129) v1(186,139) v1(186,134) v1(186,129) v1(191,139) v1(191,134) v1(191,129) v3(39.2,112.2) v3(39.2,111.3) v3(39.2,110.4) v3(39.2,109.5) v3(39.2,108.6) v3(40.1,112.2) v3(40.1,111.3) v3(40.1,110.4) v3(40.1,109.5) v3(40.1,108.6) v3(54.55,122.1) v3(54.55,121.2) v3(55.45,122.1) v3(55.45,121.2) v3(56.35,122.1) v3(56.35,121.2) v3(57.25,122.1) v3(57.25,121.2) v3(58.15,122.1) v3(58.15,121.2) v3(76.6,83.45) v3(76.6,82.55) v3(76.6,81.65) v3(77.5,83.45) v3(77.5,82.55) v3(77.5,81.65) v3(78.4,83.45) v3(78.4,82.55) v3(78.4,81.65)
